# Altium PCB Expansion_Board.PcbDoc
Units mm, origin at the board's own origin, x right, y up, seen from the top; angles counter-clockwise.
Board outline 100 x 74.6 mm, 2 copper layers (Top Layer, Bottom Layer); 20 components, 25 nets, 159 pads, 8 vias.
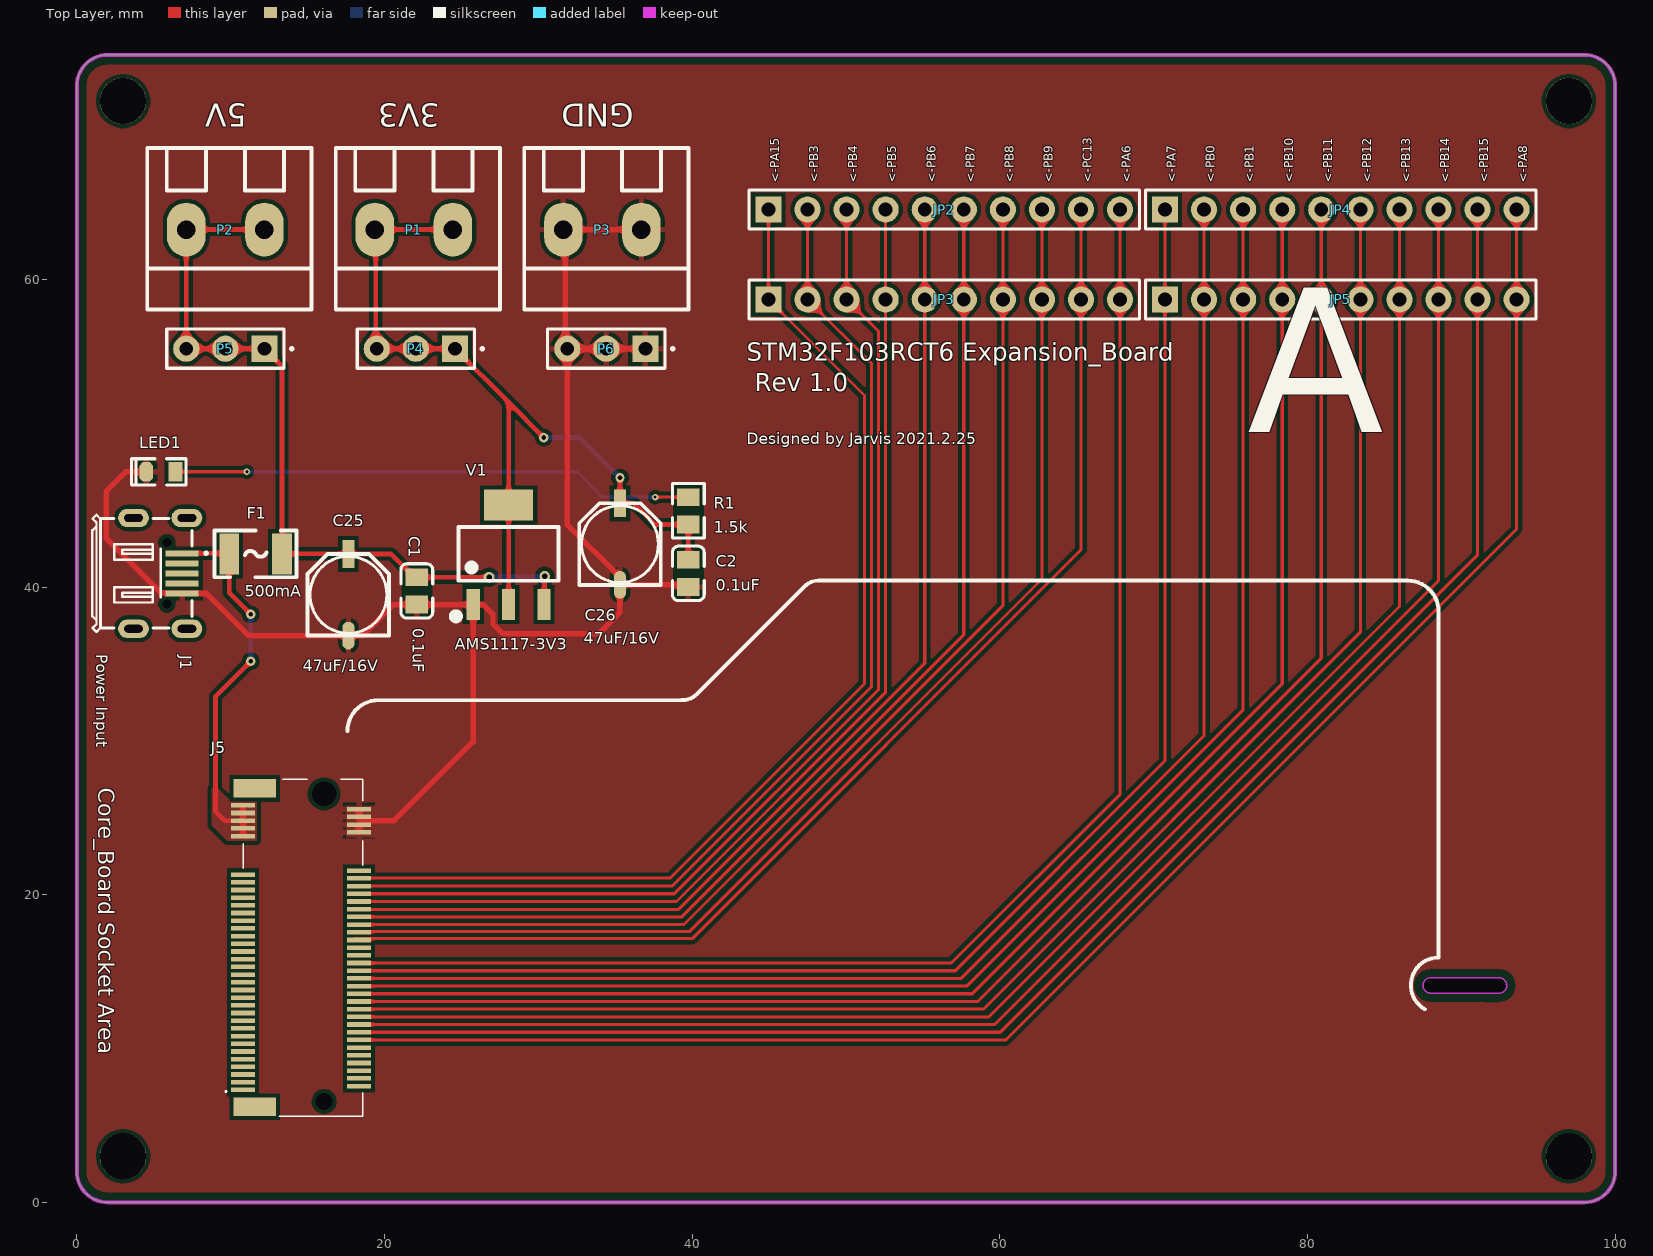
[diagram p0: Top Layer view]
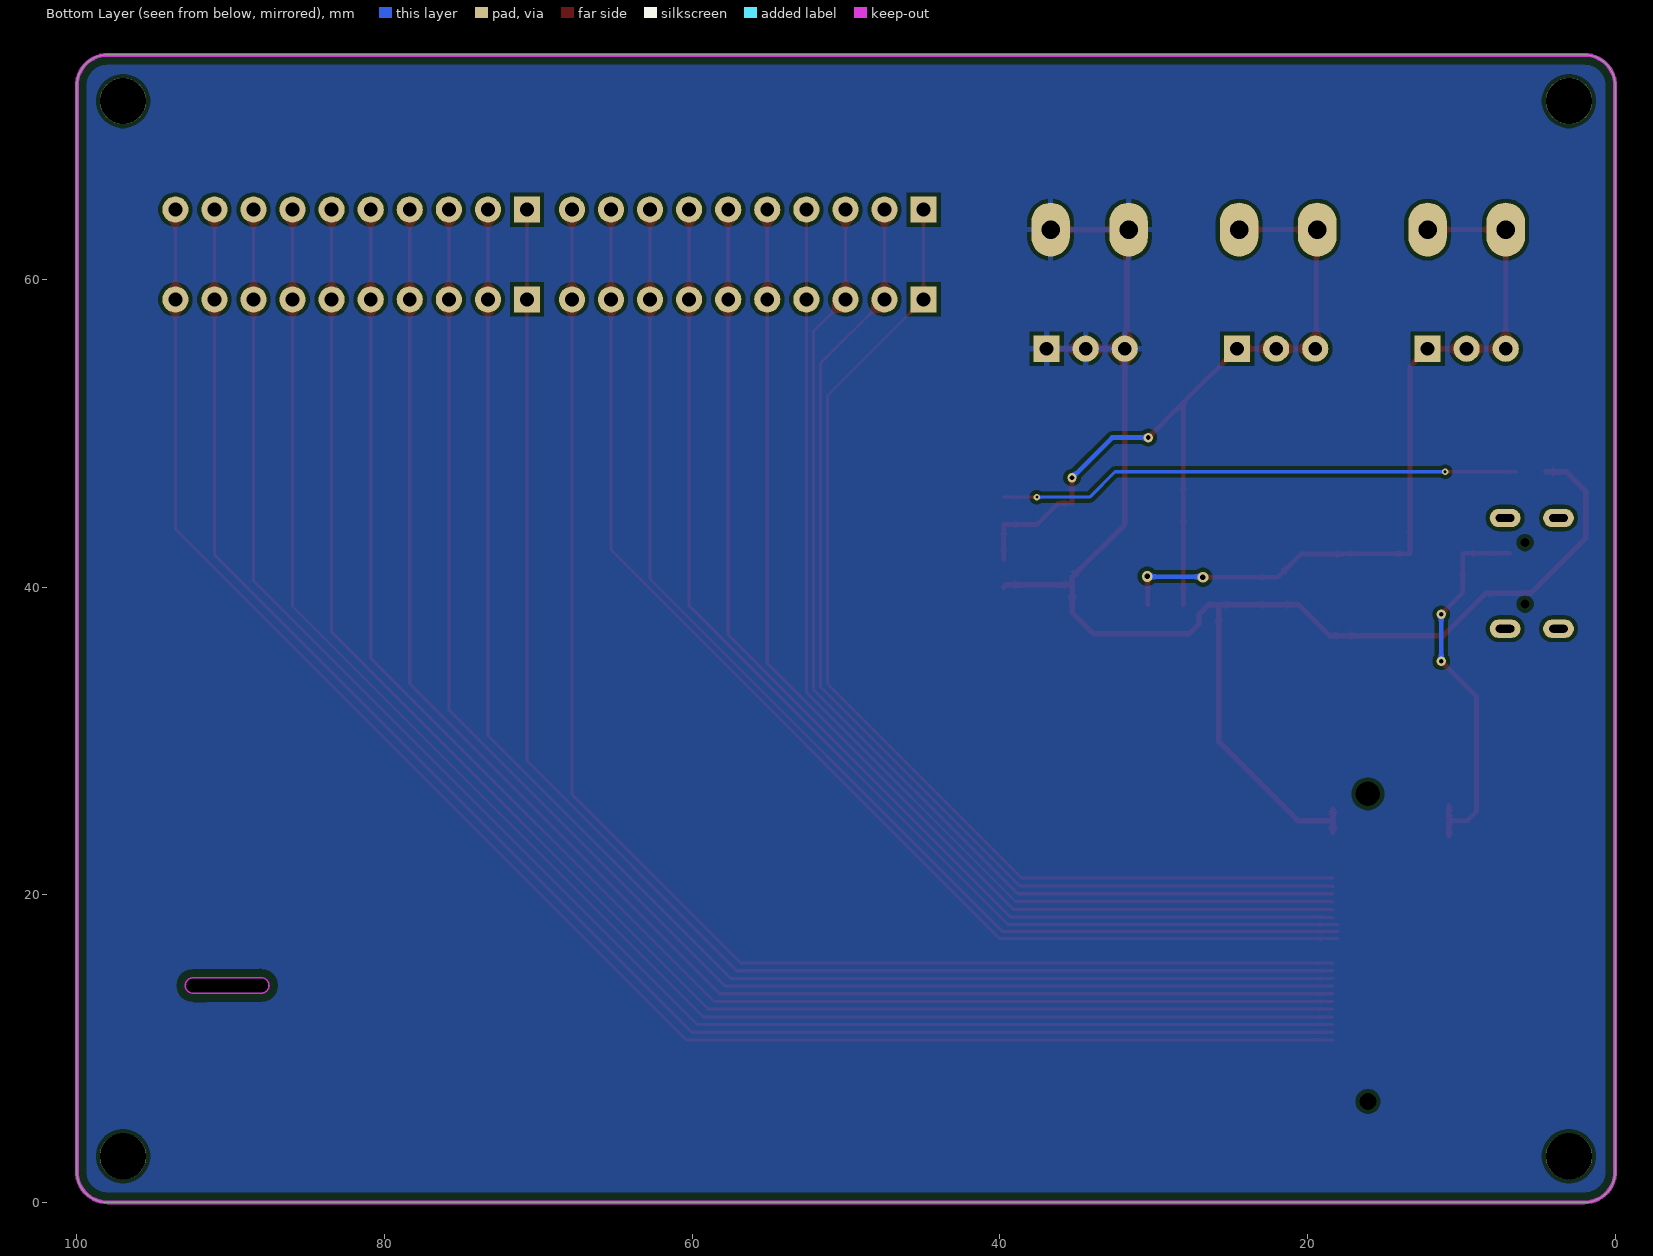
[diagram p1: Bottom Layer view, seen from below]

## Layer stack, top to bottom
Top Solder: solder mask 0.0102, Solder Resist, Dk 3.5
Top Layer: signal copper 0.0356
Dielectric 1: dielectric 0.32, FR-4, Dk 4.8
Bottom Layer: signal copper 0.0356
Bottom Solder: solder mask 0.0102, Solder Resist, Dk 3.5

## Board outline
0,2.032 0,72.517 0,72.568 cw(c2,72.6) 2.032,74.6 97.968,74.6 cw(c98,72.6) 100,72.568 100,72.517 100,2.032 cw(c98,2) 97.968,0 2.032,0 cw(c2,2)
cut-out: 88.011,13.605 91.567,13.597 92.448,13.597 ccw(c92.448,14.097) 92.448,14.597 91.567,14.597 88.011,14.605 ccw(c88.011,14.105)

## Design rules (kind name [scope] priority, off if disabled: settings)
Clearance inpolygon_to_keepout [OnLayer('Keep-Out Layer') vs InPolygon] p1: gap=0.508 ignorepadtopadclearanceinfootprint=FALSE
Clearance Clearance_inpolygon [InPolygon] p2: gap=0.254 ignorepadtopadclearanceinfootprint=FALSE except(0: Arc-Hole Track-Hole SMDPad-Hole THPad-Hole Via-Hole Fill-Hole Poly-Hole Region-Hole Text-Hole)
Clearance [All] p3: gap=0.127 ignorepadtopadclearanceinfootprint=FALSE except(0: Arc-Hole Track-Hole SMDPad-Hole THPad-Hole Via-Hole Fill-Hole Poly-Hole Region-Hole Text-Hole; 0.203: Arc-THPad Arc-Via Arc-Text Track-THPad Track-Via Track-Text SMDPad-THPad SMDPad-Via SMDPad-Text THPad-THPad THPad-Via THPad-Text Via-Via Via-Text Fill-Text Poly-Text Region-Text Text-Text; 0.254: Arc-Arc Arc-Track Track-Track)
ComponentClearance [All] p1: gap=0 collisioncheckmode=3 verticalgap=0 showdistances=FALSE
DiffPairsRouting [All] p1: maxlimit=0.406 minlimit=0.406 mostfreqgap=0.406 toplayer_minwidth=0.203 toplayer_maxwidth=0.203 toplayer_prefwidth=0.203 bottomlayer_minwidth=0.203 bottomlayer_maxwidth=0.203 bottomlayer_prefwidth=0.203 maxuncoupledlength=12.7
HoleSize [All] p1: absolutevalues=TRUE maxlimit=5 minlimit=0.025 maxpercent=80.000 minpercent=20.000
MinimumSolderMaskSliver [All] p1: minsoldermaskwidth=0
PolygonConnect PolygonConnect_5V [InNet('USB_5V_Expansion') vs InNet('USB_5V_Expansion')] p1: connectstyle=Direct reliefconductorwidth=0.254 reliefentries=4 polygonreliefangle="90 Angle" airgapwidth=0.254
PolygonConnect [All] p2: thpad.connectstyle=Relief thpad.reliefconductorwidth=0.381 thpad.reliefentries=4 thpad.polygonreliefangle="90 Angle" thpad.airgapwidth=0.254 smdpad.connectstyle=Relief smdpad.reliefconductorwidth=0.381 smdpad.reliefentries=4 smdpad.polygonreliefangle="90 Angle" smdpad.airgapwidth=0.254 via.connectstyle=Direct via.reliefconductorwidth=0.254 via.reliefentries=4 via.polygonreliefangle="90 Angle" via.airgapwidth=0.254
RoutingVias [All] p1: holewidth=0.203 width=0.406 viastyle="Through Hole" minholewidth=0.203 minwidth=0.406 maxholewidth=0.356 maxwidth=0.711
SilkToSilkClearance [All] p1: silktosilkclearance=0
SilkToSolderMaskClearance [IsPad] p1: minsilkscreentomaskgap=0 clearancetoexposedcopper=TRUE
SolderMaskExpansion [All] p1: expansion=0.102 istentingtop=FALSE
Width Width_GND [InNet('GND')] p1: maxlimit=0.356 minlimit=0.356 preferedwidth=0.356
Width Width_PWR [InNetClass('PWR')] p2: maxlimit=0.305 minlimit=0.305 preferedwidth=0.305
Width [All] p3: maxlimit=0.203 minlimit=0.203 preferedwidth=0.203
24 further rules are at their usual default settings.

## Classes and differential pairs
net class PWR: 3V3 5V USB_5V_Expansion

## Components (designator, comment, footprint, x,y, rotation, side; value= is the part's Value field where it differs from the comment)
C1 "0.1uF" 0805_C 22.098,39.751 r90 top value=100nF
C2 "0.1uF" 0805_C 39.751,40.893 r90 top value=100nF
C25 "47uF/16V" "CM C(5*5.4)" 17.653,39.497 r90 top
C26 "47uF/16V" "CM C(5*5.4)" 35.306,42.799 r90 top
F1 "500mA" "FU 1210" 11.62,42.164 r0 top
J1 "USB_Micro" USB-MICRO 3.683,40.894 r270 top
J5 "M.2 M-Key 3.2h插槽" "M-KEY SOCKET" 14.683,16.562 r90 top
JP2 "HDR-1X10" HDR2.54-LI-10P 56.388,64.543 r0 top
JP3 "HDR-1X10" HDR2.54-M-LI-10P 56.388,58.701 r0 top
JP4 "HDR-1X10" HDR2.54-LI-10P 82.169,64.543 r0 top
JP5 "HDR-1X10" HDR2.54-M-LI-10P 82.169,58.701 r0 top
LED1 "G" "LED 0805G" 5.461,47.498 r180 top
P1 "3.3V电源输出" KF128-5.08-2P 21.907,63.246 r180 top
P2 "5V电源输出" KF128-5.08-2P 9.652,63.246 r180 top
P3 "电源地" KF128-5.08-2P 34.163,63.246 r180 top
P4 "Header 3" HDR-1X3_M 24.575,55.499 r180 top
P5 "Header 3" HDR-1X3_M 12.192,55.499 r180 top
P6 "Header 3" HDR-1X3_M 36.957,55.499 r180 top
R1 "1.5k" 0805_R 39.751,44.957 r270 top value=1K
V1 "AMS1117-3V3" SOT223 28.067,42.164 r0 top

## Footprints (in the part's own frame and the unit in brackets; to place one, negate y for a bottom-side part, rotate by r counter-clockwise, add the part's x,y. Pads: shape width x height; smd on the part's side, far side on the other; paste and mask are expansions set on the pad)
0805_C [mm]
  rect 1.16x1.47 smd: 1(-0.89,0) 2(0.89,0)
  silkscreen extent -1.77,-1.04 1.77,1.04, body extent -1,-0.62 1,0.63, height 0.77
0805_R [mm]
  rect 1.16x1.47 smd: 1(-0.89,0) 2(0.89,0)
  silkscreen extent -1.77,-1.03 1.77,1.03, body extent -1,-0.62 1,0.63, height 0.49
"CM C(5*5.4)" [mm] "贴片电解电容，直径5mm，高5.4mm"
  rect 1.8x0.8 smd: 1(2.65,0)
  oval 1.8x0.8 smd: 2(-2.65,0)
  silkscreen extent -2.65,-2.65 2.65,2.65, body extent -2.95,-2.65 2.95,2.65, height 5.4
"FU 1210" [mil] "贴片保险丝"
  rect 50x105 smd: 1(-67.5,0) 2(67.5,0)
  silkscreen extent -105,-60 105,60, body extent -63,-50 63,50, height 34
HDR2.54-LI-10P [mm] "排针，10脚"
  rect 1.7x1.7 hole 0.9: 1(-11.43,0)
  round 1.7 hole 0.9: 2(-8.89,0) 3(-6.35,0) 4(-3.81,0) 5(-1.27,0) 6(1.27,0) 7(3.81,0) 8(6.35,0) 9(8.89,0) 10(11.43,0)
  silkscreen extent -12.7,-1.27 12.7,1.27, body extent -12.7,-1.27 12.7,1.27, height 8.5
HDR2.54-M-LI-10P [mm] "排母，10脚"
  rect 1.7x1.7 hole 0.9: 1(-11.43,0)
  round 1.7 hole 0.9: 2(-8.89,0) 3(-6.35,0) 4(-3.81,0) 5(-1.27,0) 6(1.27,0) 7(3.81,0) 8(6.35,0) 9(8.89,0) 10(11.43,0)
  silkscreen extent -12.7,-1.27 12.7,1.27, body extent -12.7,-1.27 12.7,1.27, height 8.5
HDR-1X3_M [mm]
  rect 1.7x1.7 hole 0.9: 1(0,0)
  round 1.7 hole 0.9: 2(2.54,0) 3(5.08,0)
  silkscreen extent -1.85,-1.27 6.35,1.27, body extent -1.27,-1.27 6.35,1.27, height 8.5
KF128-5.08-2P [mm] "螺钉式接线端子，脚距5.08mm"
  oval 2.5x3.5 hole 1.2: 1(-2.54,0) 2(2.54,0)
  silkscreen extent -5.59,-5.31 5.08,5.21, body extent -5.58,-5.3 5.08,5.2, height 14.15
"LED 0805G" [mil] "绿色0805LED"
  rect 35x50 smd: 1(-37.4,0)
  oct 35x50 smd: 2(37.4,0)
  silkscreen extent -64,-33 75,33, body extent -39,-25 39,25, height 32
"M-KEY SOCKET" [mm] "M.2 M-Key 3.2h插槽"
  rect 0.3x1.55 smd: 1(9.25,3.888) 2(9,-3.662) 3(8.75,3.888) 4(8.5,-3.662) 5(8.25,3.888) 6(8,-3.662) 7(7.75,3.888) 8(7.5,-3.662) 9(7.25,3.888) 10(5,-3.662) 11(4.75,3.888) 12(4.5,-3.662) 13(4.25,3.888) 14(4,-3.662) 15(3.75,3.888) 16(3.5,-3.662) 17(3.25,3.888) 18(3,-3.662) 19(2.75,3.888) 20(2.5,-3.662) 21(2.25,3.888) 22(2,-3.662) 23(1.75,3.888) 24(1.5,-3.662) 25(1.25,3.888) 26(1,-3.662) 27(0.75,3.888) 28(0.5,-3.662) 29(0.25,3.888) 30(0,-3.662) 31(-0.25,3.888) 32(-0.5,-3.662) 33(-0.75,3.888) 34(-1,-3.662) 35(-1.25,3.888) 36(-1.5,-3.662) 37(-1.75,3.888) 38(-2,-3.662) 39(-2.25,3.888) 40(-2.5,-3.662) 41(-2.75,3.888) 42(-3,-3.662) 43(-3.25,3.888) 44(-3.5,-3.662) 45(-3.75,3.888) 46(-4,-3.662) 47(-4.25,3.888) 48(-4.5,-3.662) 49(-4.75,3.888) 50(-5,-3.662) 51(-5.25,3.888) 52(-5.5,-3.662) 53(-5.75,3.888) 54(-6,-3.662) 55(-6.25,3.888) 56(-6.5,-3.662) 57(-6.75,3.888) 58(-7,-3.662) 59(-7.25,3.888) 60(-7.5,-3.662) 61(-7.75,3.888) 62(-8,-3.662) 63(-8.25,3.888) 64(-8.5,-3.662) 65(-8.75,3.888) 66(-9,-3.662) 67(-9.25,3.888)
  round 0.55 hole 1.1 unplated: MH1(-10,-1.387)
  round 0.8 hole 1.6 unplated: MH2(10,-1.387)
  rect 1.2x2.75 smd: MP1(-10.35,3.112) MP2(10.35,3.112)
  silkscreen extent -10.95,-3.89 10.95,5.05, body extent -10.95,-4.21 10.95,4.49, height 3.11
SOT223 [mm] "AMS1117_6.4x7x1.6mm(长宽高)"
  rect 0.85x2 smd: 1(-2.3,-3.302) 2(0,-3.302) 3(2.3,-3.302)
  rect 3.2x2 smd: 2(0,3.175)
  silkscreen extent -3.63,-4.26 3.25,1.75, body extent -3.25,-3.51 3.25,3.51, height 1.65
USB-MICRO [mm] "micro型USB ，6.7*7.5*2.5mm"
  rect 0.381x2.15 smd: 1(-1.3,3.16) 2(-0.65,3.16) 3(0,3.16) 4(0.65,3.16) 5(1.3,3.16)
  oval 1.2x2 hole 0.5 slot 1.2 at 90 deg: ""(-3.6,3.47) ""(-3.6,0) ""(3.6,3.47) ""(3.6,0)
  round 0 hole 0.6 unplated: ""(-2,2.17) ""(2,2.17)
  silkscreen extent -3.81,-2.67 3.81,4.79, body extent -3.99,-2.75 3.99,3.95, height 2.79

## Part data
C1 C2: library part Cap_SMD, "0805贴片电容", Voltage=63V, Published=8-Jun-2000, Publisher="Altium Limited", Revision="July-2002: Re-released for DXP Platform.", 实物样品照片=https://item.taobao.com/item.htm?spm=a230r.1.14.32.21fd24b7VWml4d&id=37914290992&ns=1&abbucket=13#detail
C25 C26: library part Cap_ELE, "电解电容"
F1: library part FU, "贴片保险丝", BOM名称=贴片保险丝, 学习资源=www.ooocke.com, 版权归属=源创客
J1: Temp_Range="-55&#8451; to 105&#8451;", AGILE_PN=211-80104, CAD_APPROVED=Yes, CLASS=IO, HEIGHT=2.8MM, MFG_NAME01="ANYTRONIC CORPORATION LIMITED", MFG_PN01=23970101#LCP-58LF, ROHS=Yes
J5: library part "M-Key Socket"
JP2 JP3 JP4 JP5: library part "Header 10", "10P接插件", BOM名称=10P接插件, 学习资源=www.ooocke.com, 版权归属=源创客
LED1: library part LED_G, "绿色LED", Published=8-Jun-2000, Publisher="Altium Limited", Revision="July-2002: Re-released for DXP Platform."
P1 P2 P3: library part "Header 2", "2P接插件", LatestRevisionDate=17-Jul-2002, LatestRevisionNote="Re-released for DXP Platform.", Publisher="Altium Limited"
P4 P5 P6: "3P接插件", LatestRevisionDate=17-Jul-2002, LatestRevisionNote="Re-released for DXP Platform.", Publisher="Altium Limited"
R1: library part Res_SMD, "0805贴片电阻", LatestRevisionDate=17-Jul-2002, LatestRevisionNote="Re-released for DXP Platform.", PackageDescription="Axial Device, Thru-Hole; 2 Leads; 0.4 in Pin Spacing", PackageReference=AXIAL-0.4, Published=8-Jun-2000, Publisher="Altium Limited"
V1: library part AMS1117, "三端稳压芯片", BOM名称=稳压芯片, 学习资源=www.ooocke.com, 版权归属=源创客

## Free pads (board coordinates)
  round 3 hole 3 unplated mask+0.102: ""(3,3) ""(3,71.6) ""(97,3) ""(97,71.6)

## Via types
v1: diameter 0.61, hole 0.305, Top Layer to Bottom Layer, 4 vias
v2: diameter 0.711, hole 0.356, Top Layer to Bottom Layer, 2 vias
v3: diameter 0.406, hole 0.203, Top Layer to Bottom Layer, 2 vias

## Nets (pads, with @x,y where several pads share a name; then routed paths per layer and width w, separated by ;. In a path a pad name is that pad's centre, name@x,y a point inside that pad or via, vN(x,y) a via of type N, cw(c..) or ccw(c..) an arc to the next point about the centre after c; other vN are vias at no path point)
3V3: C2.2 C26.1 P1.1 P1.2 P4.1 P4.2 P4.3 R1.2 V1.2 | length 54.3
  Top Layer w0.305: P1.1 P1.2 19.431,63.183 19.431,55.562 P4.3 P4.2 P4.1 28.067,52.006 ; V1.2@28.067,38.862 28.067,45.339 28.067,52.006 ; v1(30.353,49.72) 28.067,52.006 ; v1(35.306,47.117) C26.1 36.212,45.449 37.594,44.067 R1.2 C2.2
  Bottom Layer w0.305: v1(30.353,49.72) 32.703,49.72 v1(35.306,47.117)
5V: C1.2 C25.1 F1.2 P2.1 P2.2 P5.1 P5.2 P5.3 V1.3 | length 51.3
  Top Layer w0.305: P2.1 P2.2 P5.3 P5.2 P5.1 13.335,54.356 F1.2 17.636,42.164 C25.1 20.437,42.147 21.943,40.641 C1.2 v2(26.796,40.641) ; V1.3 30.392,38.887 30.392,40.679 v2(30.417,40.704)
  Bottom Layer w0.305: v2(26.796,40.641) 26.827,40.673 30.386,40.673 v2(30.417,40.704)
GND: C1.1 C2.1 C25.2 C26.2 J1.5 J5.2 J5.4 J5.6 J5.8 LED1.2 P3.1 P3.2 P6.1 P6.2 P6.3 V1.1 | length 105.8
  Top Layer w0.356: LED1.2 3.175,47.498 1.905,46.228 1.905,43.18 5.478,39.607 6.83,39.607 J1.5 8.412,39.594 11.159,36.847 C25.2 18.559,36.847 20.573,38.861 C1.1 V1.1 V1.1 ; J5.8 J5.6 18.345,24.812 ; J5.2 J5.4 18.345,24.812 ; P3.1 P3.2 31.75,63.119 31.75,55.626 P6.3 ; P6.1 P6.2 P6.3 ; C2.1 39.605,40.149 C26.2 ; 18.345,24.812 20.621,24.812 25.767,29.958 V1.1 ; V1.1 26.416,38.862 27.051,38.227 27.051,37.592 27.686,36.957 33.909,36.957 35.306,38.354 C26.2 ; P6.3 31.877,44.078 35.306,40.649 C26.2
NetLED1_1: LED1.1 R1.1 | length 34
  Top Layer w0.203: LED1.1 v3(11.049,47.498) ; v3(37.592,45.847) R1.1
  Bottom Layer w0.203: v3(11.049,47.498) 32.512,47.498 34.163,45.847 v3(37.592,45.847)
PA6: J5.34 JP2.10 JP3.10 | length 92
  Top Layer w0.203: J5.34 24.951,15.562 56.837,15.562 67.818,26.543 JP3.10 JP2.10
PA7: J5.36 JP4.1 JP5.1 | length 93.9
  Top Layer w0.203: J5.36 57.099,15.062 70.739,28.702 JP5.1 JP4.1
PA8: J5.54 JP4.10 JP5.10 | length 109.8
  Top Layer w0.203: J5.54 60.385,10.562 93.599,43.776 JP5.10 JP4.10
PA15: J5.12 JP2.1 JP3.1 | length 71.5
  Top Layer w0.203: J5.12 18.365,21.082 38.562,21.082 51.206,33.727 51.206,52.453 JP3.1 JP2.1
PB0: J5.38 JP4.2 JP5.2 | length 95.7
  Top Layer w0.203: J5.38 57.488,14.562 73.279,30.353 JP5.2 JP4.2
PB1: J5.40 JP4.3 JP5.3 | length 97.4
  Top Layer w0.203: J5.40 57.85,14.062 75.819,32.031 JP5.3 JP4.3
PB3: J5.14 JP2.2 JP3.2 | length 71.4
  Top Layer w0.203: J5.14@18.345,20.523 18.384,20.562 38.688,20.562 51.664,33.537 51.664,54.535 JP3.2 JP2.2
PB4: J5.16 JP2.3 JP3.3 | length 71.3
  Top Layer w0.203: J5.16 18.349,20.066 38.839,20.066 52.121,33.348 52.121,56.618 JP3.3 JP2.3
PB5: J5.18 JP2.4 JP3.4 | length 71.3
  Top Layer w0.203: J5.18@18.345,19.514 18.393,19.562 38.981,19.562 52.578,33.159 JP2.4
PB6: J5.20 JP2.5 JP3.5 | length 72.9
  Top Layer w0.203: J5.20@18.345,19.05 39.116,19.05 55.118,35.052 JP3.5 JP2.5
PB7: J5.22 JP2.6 JP3.6 | length 74.6
  Top Layer w0.203: J5.22@18.345,18.519 18.976,18.519 19.018,18.562 39.321,18.562 57.658,36.899 JP2.6
PB8: J5.24 JP2.7 JP3.7 | length 76.5
  Top Layer w0.203: J5.24@18.027,18.062 39.467,18.062 60.198,38.793 JP2.7
PB9: J5.26 JP2.8 JP3.8 | length 78.2
  Top Layer w0.203: J5.26@18.027,17.605 19.018,17.605 39.818,17.605 62.738,40.525 JP2.8
PB10: J5.42 JP4.4 JP5.4 | length 99.2
  Top Layer w0.203: J5.42 58.212,13.562 78.359,33.709 JP5.4 JP4.4
PB11: J5.44 JP4.5 JP5.5 | length 101
  Top Layer w0.203: J5.44 58.574,13.062 80.899,35.387 JP5.5 JP4.5
PB12: J5.46 JP4.6 JP5.6 | length 102.7
  Top Layer w0.203: J5.46 58.936,12.562 83.439,37.065 JP5.6 JP4.6
PB13: J5.48 JP4.7 JP5.7 | length 104.5
  Top Layer w0.203: J5.48 59.299,12.062 85.979,38.742 JP5.7 JP4.7
PB14: J5.50 JP4.8 JP5.8 | length 106.3
  Top Layer w0.203: J5.50 59.661,11.562 88.519,40.42 JP5.8 JP4.8
PB15: J5.52 JP4.9 JP5.9 | length 108
  Top Layer w0.203: J5.52 60.023,11.062 91.059,42.098 JP5.9 JP4.9
PC13: J5.28 JP2.9 JP3.9 | length 79.8
  Top Layer w0.203: J5.28@18.027,17.148 40.008,17.148 65.278,42.418 JP3.9 JP2.9
USB_5V_Expansion: F1.1 J1.1 J5.1 J5.3 J5.5 J5.7 J5.9 | length 25.4
  Top Layer w0.305: J1.1 9.876,42.194 F1.1 9.906,39.624 v1(11.303,38.227) ; J5.9 J5.7 J5.5 ; J5.1 J5.3 J5.5 ; v1(11.303,35.179) 9.017,32.893 9.017,25.4 9.605,24.812 J5.5
  Bottom Layer w0.305: v1(11.303,35.179) v1(11.303,38.227)
pads on no net: J1. J1.2 J1.3 J1.4 J5.10 J5.11 J5.13 J5.15 J5.17 J5.19 J5.21 J5.23 J5.25 J5.27 J5.29 J5.30 J5.31 J5.32 J5.33 J5.35 J5.37 J5.39 J5.41 J5.43 J5.45 J5.47 J5.49 J5.51 J5.53 J5.55 J5.56 J5.57 J5.58 J5.59 J5.60 J5.61 J5.62 J5.63 J5.64 J5.65 J5.66 J5.67 J5.MH1 J5.MH2 J5.MP1 J5.MP2

## Polygon pours and split planes (outlines as drawn)
GND on Top Layer "GND_L01_P002" (solid, remove dead copper, pour order 2): 0,2.032 0,72.517 0,72.568 cw(c2,72.6) 2.032,74.6 97.968,74.6 cw(c98,72.6) 100,72.568 100,72.517 100,2.032 cw(c98,2) 97.968,0 2.032,0 cw(c2,2)
GND on Top Layer "NONET_L01_P-001" (solid, remove dead copper, pour order 1): 17.526,25.781 21.336,25.781 21.59,25.527 21.59,25.019 20.32,23.749 17.526,23.749
USB_5V_Expansion on Top Layer "NONET_L01_P-001" (solid, remove dead copper, pour order 0): 9.906,26.035 11.684,26.035 11.684,23.495 9.779,23.495 8.763,24.511 8.763,26.924 9.144,26.924 9.906,26.162
GND on Bottom Layer "GND_L02_P003" (solid, remove dead copper, pour order 3): 0,2.032 0,72.517 0,72.568 cw(c2,72.6) 2.032,74.6 97.968,74.6 cw(c98,72.6) 100,72.568 100,72.517 100,2.032 cw(c98,2) 97.968,0 2.032,0 cw(c2,2)

## Keep-outs
Keep-Out Layer:
  lines w0.102: 88.011,13.605 cw(c88.011,14.105) 88.011,14.605 91.567,14.597 92.448,14.597 cw(c92.448,14.097) 92.448,13.597 91.567,13.597 88.011,13.605
  lines w0.254: 0,72.517 0,2.032 ccw(c2,2) 2.032,0 97.968,0 ccw(c98,2) 100,2.032 100,72.517 ; 0,72.568 cw(c2,72.6) 2.032,74.6 97.968,74.6 cw(c98,72.6) 100,72.568

## Silkscreen, mask and mechanical layers (free items; w line width, h text height)
Top Overlay:
  lines w0.102: 88.52,38.424 88.52,38.424
  lines w0.254: 17.589,30.645 cw(c19.589,30.645) 19.589,32.645 39.351,32.656 ccw(c39.351,34.03) 40.322,33.058 ; 87.63,12.555 cw(c88.52,14.12) 88.52,15.92 88.52,38.424 ccw(c86.52,38.424) 86.52,40.424 48.227,40.424 ccw(c48.227,39.123) 47.307,40.043 40.322,33.058 ; 40.322,33.058 40.322,33.058
  text "5V" at 11.047,71.91 h2.54 r180
  text "3V3" at 23.594,71.91 h2.54 r180
  text "GND" at 36.193,71.91 h2.54 r180
  text "<-PA15" at 45.856,66.294 h0.97 r90
  text "<-PB3" at 48.396,66.294 h0.97 r90
  text "<-PB4" at 50.936,66.294 h0.97 r90
  text "<-PB5" at 53.476,66.294 h0.97 r90
  text "<-PB6" at 56.016,66.294 h0.97 r90
  text "<-PB7" at 58.556,66.294 h0.97 r90
  text "<-PB8" at 61.096,66.294 h0.97 r90
  text "<-PB9" at 63.636,66.294 h0.97 r90
  text "<-PC13" at 66.176,66.294 h0.97 r90
  text "<-PA6" at 68.716,66.294 h0.97 r90
  text "<-PA7" at 71.637,66.294 h0.97 r90
  text "<-PB0" at 74.177,66.294 h0.97 r90
  text "<-PB1" at 76.717,66.294 h0.97 r90
  text "<-PB10" at 79.257,66.294 h0.97 r90
  text "<-PB11" at 81.797,66.294 h0.97 r90
  text "<-PB12" at 84.337,66.294 h0.97 r90
  text "<-PB13" at 86.877,66.294 h0.97 r90
  text "<-PB14" at 89.417,66.294 h0.97 r90
  text "<-PB15" at 91.957,66.294 h0.97 r90
  text "<-PA8" at 94.497,66.294 h0.97 r90
  text "STM32F103RCT6 Expansion_Board /  Rev 1.0" at 43.561,52.333 h2
  text "Designed by Jarvis 2021.2.25" at 43.561,49.022 h1.27
  text "A" at 76.073,46.291 h20
  text "Power Input" at 0.999,35.623 h1.27 r270
  text "Core_Board Socket Area" at 1.036,26.956 h1.78 r270